# Allegro board 6089-103-RevB_76.brd (continued)
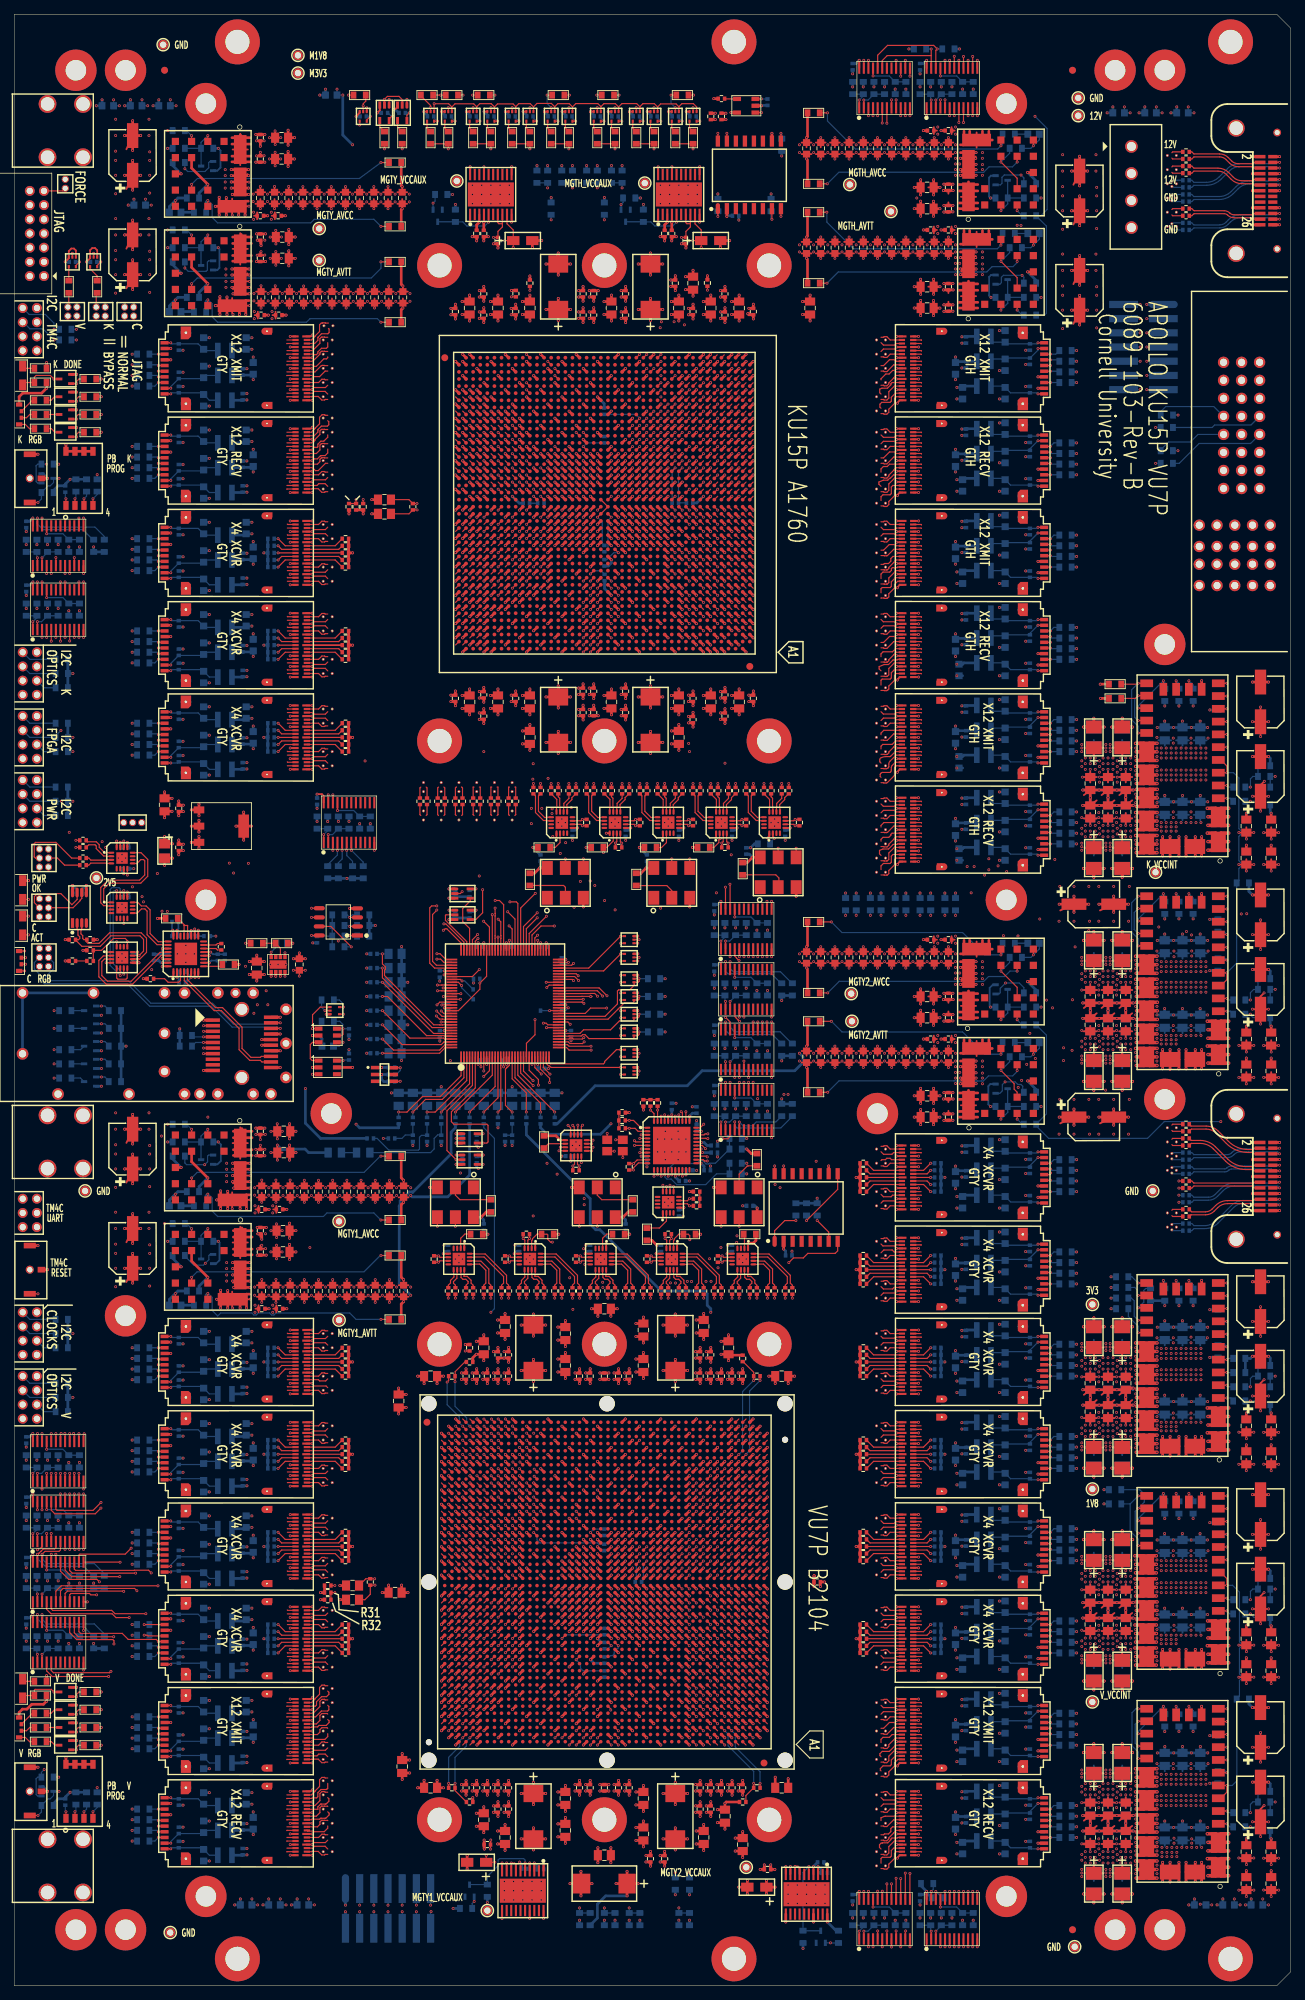
[diagram p0: board, top side]
## Routing (per net, layer and track width the routed paths; a pad name or vN(x,y) marks a point on that pad's centre or on a via; arc(x,y) is an arc through that point) (continued)
U26.G2 23.49,69.18 ; U26.G2 23.49,70.62 ; J3.7 2.08,181.9 ; J3.7 1.2,181.02 ; J3.7 1.87,181.23 ; J3.7 1.2,182.78 ; J3.7 2.07,182.28 ; J3.7 2.07,181.52 ; J3.7 1.58,182.77 ; J3.7 1.87,182.57 ; 141.47,17.18 U117.G1 ; U117.G1 142.91,17.18 ; U117.G1 142.91,18.62 ; U117.G1 141.47,18.62 ; U117.G1 141.79,16.97 ; U117.G1 142.19,18.84 ; U117.G1 142.19,16.96 ; U117.G1 141.25,17.9 ; 23.49,31.62 U29.G2 ; U29.G2 24.21,29.96 ; U29.G2 24.93,30.18 ; U29.G2 24.21,31.84 ; U29.G2 24.93,31.62 ; U29.G2 25.15,30.9 ; U29.G2 23.49,30.18 ; U29.G2 23.81,29.97 ; J17.3 157.5,252.61 ; J17.3 158.31,252.35 ; J17.3 156.69,252.35 ; J17.3 158.57,251.54 ; J17.3 158.31,250.74 ; J17.3 156.69,250.74 ; J17.3 157.5,250.48 ; J17.3 156.43,251.54 ; 121.38,102.49 VA106.3 ; VA106.3 121.15,103.09 ; VA106.3 121.56,102.52 ; VA106.3 121.18,102.9 ; VA106.3 121.15,102.71 ; VA106.3 121.24,102.58 ; VA106.3 121.24,103.22 ; VA106.3 121.56,103.28 ; VA41.4 45.02,40.31 ; VA41.4 45.25,40.09 ; VA41.4 45.22,39.9 ; VA41.4 45.16,40.22 ; VA41.4 45.16,39.58 ; VA41.4 44.84,40.28 ; VA41.4 45.25,39.71 ; VA41.4 44.84,39.52 ; 43.38,78.49 43.56,78.9 ; 43.56,78.9 43.24,78.58 ; 43.56,78.9 43.15,78.71 ; 43.56,78.9 43.56,79.28 ; 43.56,78.9 43.15,79.09 ; 43.56,78.9 43.56,78.52 ; 43.56,78.9 43.18,78.9 ; 43.56,78.9 43.24,79.22 ; VA24.4 45.25,91.71 ; VA24.4 45.25,92.09 ; VA24.4 44.84,92.28 ; VA24.4 45.22,91.9 ; VA24.4 45.02,92.31 ; VA24.4 44.84,91.52 ; VA24.4 45.16,92.22 ; VA24.4 45.16,91.58 ; 141.79,231.97 U104.G2 ; U104.G2 142.19,233.84 ; U104.G2 142.19,231.96 ; U104.G2 141.47,232.18 ; U104.G2 141.25,232.9 ; U104.G2 142.91,233.62 ; U104.G2 141.47,233.62 ; U104.G2 142.91,232.18 ; 9.12,112 PM25.1 ; PM25.1 9.33,112.67 ; PM25.1 10.88,112 ; PM25.1 10,111.12 ; PM25.1 10.67,111.33 ; PM25.1 9.33,111.33 ; PM25.1 10.67,112.67 ; PM25.1 10,112.88 ; VA37.4 45.22,50.9 ; VA37.4 44.84,51.28 ; VA37.4 45.02,51.31 ; VA37.4 45.25,50.71 ; VA37.4 44.84,50.52 ; VA37.4 45.16,51.22 ; VA37.4 45.25,51.09 ; VA37.4 45.16,50.58 ; 121.56,29.52 VA130.4 ; VA130.4 121.24,29.58 ; VA130.4 121.15,30.09 ; VA130.4 121.38,29.49 ; VA130.4 121.15,29.71 ; VA130.4 121.56,30.28 ; VA130.4 121.24,30.22 ; VA130.4 121.18,29.9 ; 121.15,84.09 VA112.4 ; VA112.4 121.24,83.58 ; VA112.4 121.15,83.71 ; VA112.4 121.56,84.28 ; VA112.4 121.24,84.22 ; VA112.4 121.18,83.9 ; VA112.4 121.38,83.49 ; VA112.4 121.56,83.52 ; 162.24,250.22 VA141.4 ; VA141.4 162.18,249.9 ; VA141.4 162.24,249.58 ; VA141.4 162.38,249.49 ; VA141.4 162.15,249.71 ; VA141.4 162.56,249.52 ; VA141.4 162.15,250.09 ; VA141.4 162.56,250.28 ; 121.56,203.52 VA78.4 ; VA78.4 121.18,203.9 ; VA78.4 121.15,204.09 ; VA78.4 121.24,204.22 ; VA78.4 121.15,203.71 ; VA78.4 121.24,203.58 ; VA78.4 121.56,204.28 ; VA78.4 121.38,203.49 ; VA64.4 70.52,165.86 ; VA64.4 70.58,165.53 ; VA64.4 69.79,165.72 ; VA64.4 69.88,165.86 ; VA64.4 69.82,165.53 ; VA64.4 70.39,165.95 ; VA64.4 70.2,165.92 ; VA64.4 70.61,165.72 ; 122.83,171.52 VA93.3 ; VA93.3 123.16,171.58 ; VA93.3 122.83,172.28 ; VA93.3 123.22,171.9 ; VA93.3 123.16,172.22 ; VA93.3 123.02,172.31 ; VA93.3 123.25,172.09 ; VA93.3 123.25,171.71 ; 43.15,231.71 43.56,231.9 ; 43.56,231.9 43.56,231.52 ; 43.56,231.9 43.56,232.28 ; 43.56,231.9 43.18,231.9 ; 43.56,231.9 43.24,232.22 ; 43.56,231.9 43.38,231.49 ; 43.56,231.9 43.24,231.58 ; 43.56,231.9 43.15,232.09 ; 163.84,257.9 163.84,258.28 ; 163.84,257.9 164.16,257.58 ; 163.84,257.9 164.25,258.09 ; 163.84,257.9 164.25,257.71 ; 163.84,257.9 163.84,257.52 ; 163.84,257.9 164.02,258.31 ; 163.84,257.9 164.22,257.9 ; 163.84,257.9 164.16,258.22 ; P1.P2-4 175.31,206.54 ; P1.P2-4 173.59,205.8 ; P1.P2-4 173.83,206.54 ; P1.P2-4 173.83,205.06 ; P1.P2-4 174.57,206.78 ; P1.P2-4 174.57,204.82 ; P1.P2-4 175.31,205.06 ; P1.P2-4 175.55,205.8 ; 121.24,172.22 VA93.4 ; VA93.4 121.56,171.52 ; VA93.4 121.24,171.58 ; VA93.4 121.18,171.9 ; VA93.4 121.15,172.09 ; VA93.4 121.56,172.28 ; VA93.4 121.38,171.49 ; VA93.4 121.15,171.71 ; J6.1 2.08,110.9 ; J6.1 2.07,111.28 ; J6.1 2.07,110.52 ; J6.1 1.58,111.77 ; J6.1 1.87,110.23 ; J6.1 1.2,111.78 ; J6.1 1.2,110.02 ; J6.1 1.87,111.57 ; 141.47,183.18 U107.G1 ; U107.G1 141.79,182.97 ; U107.G1 142.91,183.18 ; U107.G1 142.19,182.96 ; U107.G1 141.25,183.9 ; U107.G1 142.91,184.62 ; U107.G1 142.19,184.84 ; U107.G1 141.47,184.62 ; 121.15,186.71 VA86.4 ; VA86.4 121.18,186.9 ; VA86.4 121.56,186.52 ; VA86.4 121.24,186.58 ; VA86.4 121.15,187.09 ; VA86.4 121.38,186.49 ; VA86.4 121.56,187.28 ; VA86.4 121.24,187.22 ; 121.56,223.52 VA69.4 ; VA69.4 121.56,224.28 ; VA69.4 121.18,223.9 ; VA69.4 121.15,223.71 ; VA69.4 121.24,223.58 ; VA69.4 121.38,223.49 ; VA69.4 121.15,224.09 ; VA69.4 121.24,224.22 ; 122.83,173.52 VA92.3 ; VA92.3 123.02,174.31 ; VA92.3 122.83,174.28 ; VA92.3 123.25,173.71 ; VA92.3 123.16,173.58 ; VA92.3 123.16,174.22 ; VA92.3 123.22,173.9 ; VA92.3 123.25,174.09 ; 141.79,26.97 U117.G2 ; U117.G2 141.47,28.62 ; U117.G2 142.19,26.96 ; U117.G2 141.47,27.18 ; U117.G2 141.25,27.9 ; U117.G2 142.91,28.62 ; U117.G2 142.91,27.18 ; U117.G2 142.19,28.84 ; 121.24,178.22 VA90.4 ; VA90.4 121.15,178.09 ; VA90.4 121.38,177.49 ; VA90.4 121.15,177.71 ; VA90.4 121.56,178.28 ; VA90.4 121.56,177.52 ; VA90.4 121.24,177.58 ; VA90.4 121.18,177.9 ; VA136.3 123.25,16.71 ; VA136.3 123.16,17.22 ; VA136.3 123.16,16.58 ; VA136.3 123.25,17.09 ; VA136.3 122.83,17.28 ; VA136.3 123.22,16.9 ; VA136.3 123.02,17.31 ; VA136.3 122.83,16.52 ; U111.G2 142.91,105.18 ; U111.G2 141.79,104.97 ; U111.G2 141.47,105.18 ; U111.G2 141.47,106.62 ; U111.G2 142.19,104.96 ; U111.G2 142.19,106.84 ; U111.G2 142.91,106.62 ; U111.G2 141.25,105.9 ; 141.25,206.9 U106.G2 ; U106.G2 141.47,206.18 ; U106.G2 142.19,207.84 ; U106.G2 141.47,207.62 ; U106.G2 142.91,206.18 ; U106.G2 141.79,205.97 ; U106.G2 142.19,205.96 ; U106.G2 142.91,207.62 ; VA28.4 45.16,78.58 ; VA28.4 44.84,79.28 ; VA28.4 45.16,79.22 ; VA28.4 44.84,78.52 ; VA28.4 45.25,78.71 ; VA28.4 45.22,78.9 ; VA28.4 45.02,79.31 ; VA28.4 45.25,79.09 ; 44.94,233.9 44.94,234.28 ; 44.94,233.9 45.32,233.9 ; 44.94,233.9 44.94,233.52 ; 44.94,233.9 45.26,234.22 ; 44.94,233.9 45.35,234.09 ; 44.94,233.9 45.26,233.58 ; 44.94,233.9 45.35,233.71 ; 44.94,233.9 45.12,234.31 ; 121.24,50.58 VA122.3 ; VA122.3 121.56,50.52 ; VA122.3 121.24,51.22 ; VA122.3 121.18,50.9 ; VA122.3 121.38,50.49 ; VA122.3 121.15,50.71 ; VA122.3 121.56,51.28 ; VA122.3 121.15,51.09 ; 3.53,247.57 J1.7 ; J1.7 5.08,246.9 ; J1.7 3.53,246.23 ; J1.7 4.2,246.02 ; J1.7 4.87,246.23 ; J1.7 3.32,246.9 ; J1.7 4.87,247.57 ; J1.7 4.2,247.78 ; 162.56,253.52 VA139.4 ; VA139.4 162.38,253.49 ; VA139.4 162.24,253.58 ; VA139.4 162.56,254.28 ; VA139.4 162.15,253.71 ; VA139.4 162.15,254.09 ; VA139.4 162.24,254.22 ; VA139.4 162.18,253.9 ; 163.84,251.9 164.02,252.31 ; 163.84,251.9 164.16,252.22 ; 163.84,251.9 164.25,251.71 ; 163.84,251.9 164.22,251.9 ; 163.84,251.9 164.25,252.09 ; 163.84,251.9 163.84,251.52 ; 163.84,251.9 163.84,252.28 ; 163.84,251.9 164.16,251.58 ; 168.59,202.8 P1.P2-7 ; P1.P2-7 170.31,203.54 ; P1.P2-7 169.57,201.82 ; P1.P2-7 168.83,203.54 ; P1.P2-7 169.57,203.78 ; P1.P2-7 170.31,202.06 ; P1.P2-7 168.83,202.06 ; P1.P2-7 170.55,202.8 ; 121.24,38.22 VA126.4 ; VA126.4 121.56,37.52 ; VA126.4 121.38,37.49 ; VA126.4 121.18,37.9 ; VA126.4 121.15,38.09 ; VA126.4 121.24,37.58 ; VA126.4 121.56,38.28 ; VA126.4 121.15,37.71 ; 44.84,227.52 VA3.4 ; VA3.4 44.84,228.28 ; VA3.4 45.25,227.71 ; VA3.4 45.22,227.9 ; VA3.4 45.16,228.22 ; VA3.4 45.02,228.31 ; VA3.4 45.25,228.09 ; VA3.4 45.16,227.58 ; 121.18,52.9 VA121.3 ; VA121.3 121.38,52.49 ; VA121.3 121.56,52.52 ; VA121.3 121.15,53.09 ; VA121.3 121.24,52.58 ; VA121.3 121.15,52.71 ; VA121.3 121.24,53.22 ; VA121.3 121.56,53.28 ; 162.56,108.52 VA147.4 ; VA147.4 162.56,109.28 ; VA147.4 162.18,108.9 ; VA147.4 162.24,109.22 ; VA147.4 162.15,108.71 ; VA147.4 162.38,108.49 ; VA147.4 162.15,109.09 ; VA147.4 162.24,108.58 ; J1.5 4.2,245.78 ; J1.5 4.2,244.02 ; J1.5 3.53,244.23 ; J1.5 4.87,244.23 ; J1.5 4.87,245.57 ; J1.5 3.32,244.9 ; J1.5 3.53,245.57 ; J1.5 5.08,244.9 ; 121.24,40.22 VA125.4 ; VA125.4 121.15,39.71 ; VA125.4 121.15,40.09 ; VA125.4 121.18,39.9 ; VA125.4 121.56,39.52 ; VA125.4 121.24,39.58 ; VA125.4 121.56,40.28 ; VA125.4 121.38,39.49 ; 43.18,63.9 43.56,63.9 ; 43.56,63.9 43.15,63.71 ; 43.56,63.9 43.24,63.58 ; 43.56,63.9 43.24,64.22 ; 43.56,63.9 43.38,63.49 ; 43.56,63.9 43.56,64.28 ; 43.56,63.9 43.56,63.52 ; 43.56,63.9 43.15,64.09 ; VA86.3 123.16,186.58 ; VA86.3 123.02,187.31 ; VA86.3 123.25,186.71 ; VA86.3 123.16,187.22 ; VA86.3 122.83,186.52 ; VA86.3 123.25,187.09 ; VA86.3 122.83,187.28 ; VA86.3 123.22,186.9 ; 43.56,65.9 43.56,66.28 ; 43.56,65.9 43.56,65.52 ; 43.56,65.9 43.24,65.58 ; 43.56,65.9 43.15,66.09 ; 43.56,65.9 43.38,65.49 ; 43.56,65.9 43.24,66.22 ; 43.56,65.9 43.18,65.9 ; 43.56,65.9 43.15,65.71 ; U13.40 28.71,140.9 ; U13.40 29.47,140.66 ; U13.40 29.47,139.14 ; U13.40 27.71,139.9 ; U13.40 29.71,139.9 ; U13.40 28.71,138.9 ; U13.40 27.95,139.14 ; U13.40 27.95,140.66 ; 121.38,205.49 VA77.4 ; VA77.4 121.18,205.9 ; VA77.4 121.56,206.28 ; VA77.4 121.24,205.58 ; VA77.4 121.24,206.22 ; VA77.4 121.15,206.09 ; VA77.4 121.15,205.71 ; VA77.4 121.56,205.52 ; 162.24,106.58 VA148.4 ; VA148.4 162.15,106.71 ; VA148.4 162.18,106.9 ; VA148.4 162.24,107.22 ; VA148.4 162.38,106.49 ; VA148.4 162.56,106.52 ; VA148.4 162.15,107.09 ; VA148.4 162.56,107.28 ; VA113.4 123.25,78.71 ; VA113.4 123.02,79.31 ; VA113.4 122.83,79.28 ; VA113.4 123.16,78.58 ; VA113.4 123.25,79.09 ; VA113.4 123.22,78.9 ; VA113.4 122.83,78.52 ; VA113.4 123.16,79.22 ; 122.83,164.52 VA96.3 ; VA96.3 123.16,165.22 ; VA96.3 123.02,165.31 ; VA96.3 123.16,164.58 ; VA96.3 123.22,164.9 ; VA96.3 123.25,164.71 ; VA96.3 122.83,165.28 ; VA96.3 123.25,165.09 ; 44.84,231.52 VA1.4 ; VA1.4 45.25,231.71 ; VA1.4 45.16,232.22 ; VA1.4 45.25,232.09 ; VA1.4 45.16,231.58 ; VA1.4 45.02,232.31 ; VA1.4 44.84,232.28 ; VA1.4 45.22,231.9 ; 43.15,51.09 43.56,50.9 ; 43.56,50.9 43.24,50.58 ; 43.56,50.9 43.56,51.28 ; 43.56,50.9 43.38,50.49 ; 43.56,50.9 43.24,51.22 ; 43.56,50.9 43.15,50.71 ; 43.56,50.9 43.18,50.9 ; 43.56,50.9 43.56,50.52 ; VA98.3 123.02,161.31 ; VA98.3 122.83,160.52 ; VA98.3 123.22,160.9 ; VA98.3 122.83,161.28 ; VA98.3 123.16,161.22 ; VA98.3 123.25,160.71 ; VA98.3 123.16,160.58 ; VA98.3 123.25,161.09 ; 121.24,192.58 VA83.4 ; VA83.4 121.56,193.28 ; VA83.4 121.15,192.71 ; VA83.4 121.24,193.22 ; VA83.4 121.38,192.49 ; VA83.4 121.15,193.09 ; VA83.4 121.56,192.52 ; VA83.4 121.18,192.9 ; 163.84,118.9 164.25,119.09 ; 163.84,118.9 163.84,118.52 ; 163.84,118.9 164.16,119.22 ; 163.84,118.9 164.16,118.58 ; 163.84,118.9 164.02,119.31 ; 163.84,118.9 164.22,118.9 ; 163.84,118.9 164.25,118.71 ; 163.84,118.9 163.84,119.28 ; 69.79,164.08 70.2,164.26 ; 70.2,164.26 69.88,163.94 ; 70.2,164.26 70.52,163.94 ; 70.2,164.26 69.82,164.26 ; 70.2,164.26 70.58,164.26 ; 70.2,164.26 70.2,163.88 ; 70.2,164.26 70.61,164.08 ; 70.2,164.26 70.01,163.85 ; VA5.4 45.16,223.58 ; VA5.4 44.84,223.52 ; VA5.4 45.25,223.71 ; VA5.4 45.02,224.31 ; VA5.4 45.22,223.9 ; VA5.4 45.16,224.22 ; VA5.4 45.25,224.09 ; VA5.4 44.84,224.28 ; 59.88,167.94 60.2,168.26 ; 60.2,168.26 59.79,168.08 ; 60.2,168.26 60.58,168.26 ; 60.2,168.26 60.2,167.88 ; 60.2,168.26 60.01,167.85 ; 60.2,168.26 60.52,167.94 ; 60.2,168.26 60.61,168.08 ; 60.2,168.26 59.82,168.26 ; 121.24,188.58 VA85.4 ; VA85.4 121.18,188.9 ; VA85.4 121.15,188.71 ; VA85.4 121.24,189.22 ; VA85.4 121.38,188.49 ; VA85.4 121.56,188.52 ; VA85.4 121.56,189.28 ; VA85.4 121.15,189.09 ; 121.18,26.9 VA131.4 ; VA131.4 121.15,27.09 ; VA131.4 121.56,27.28 ; VA131.4 121.15,26.71 ; VA131.4 121.24,27.22 ; VA131.4 121.38,26.49 ; VA131.4 121.56,26.52 ; VA131.4 121.24,26.58 ; 141.47,167.18 U109.G2 ; U109.G2 142.91,167.18 ; U109.G2 142.19,166.96 ; U109.G2 141.79,166.97 ; U109.G2 141.25,167.9 ; U109.G2 142.19,168.84 ; U109.G2 142.91,168.62 ; U109.G2 141.47,168.62 ; 121.18,91.9 VA109.3 ; VA109.3 121.24,92.22 ; VA109.3 121.56,91.52 ; VA109.3 121.24,91.58 ; VA109.3 121.15,91.71 ; VA109.3 121.15,92.09 ; VA109.3 121.56,92.28 ; VA109.3 121.38,91.49 ; 122.83,57.52 VA120.3 ; VA120.3 122.83,58.28 ; VA120.3 123.02,58.31 ; VA120.3 123.16,57.58 ; VA120.3 123.25,57.71 ; VA120.3 123.25,58.09 ; VA120.3 123.22,57.9 ; VA120.3 123.16,58.22 ; P1.P2-8 170.55,205.8 ; P1.P2-8 168.83,206.54 ; P1.P2-8 170.31,206.54 ; P1.P2-8 170.31,205.06 ; P1.P2-8 169.57,206.78 ; P1.P2-8 168.83,205.06 ; P1.P2-8 168.59,205.8 ; P1.P2-8 169.57,204.82 ; VA30.3 44.84,73.28 ; VA30.3 45.02,73.31 ; VA30.3 45.25,73.09 ; VA30.3 45.22,72.9 ; VA30.3 45.16,72.58 ; VA30.3 44.84,72.52 ; VA30.3 45.25,72.71 ; VA30.3 45.16,73.22 ; VA85.3 123.02,189.31 ; VA85.3 122.83,188.52 ; VA85.3 123.25,188.71 ; VA85.3 123.16,189.22 ; VA85.3 123.22,188.9 ; VA85.3 123.16,188.58 ; VA85.3 123.25,189.09 ; VA85.3 122.83,189.28 ; P1.P2-5 172.81,203.54 ; P1.P2-5 172.81,202.06 ; P1.P2-5 173.05,202.8 ; P1.P2-5 171.33,202.06 ; P1.P2-5 172.07,201.82 ; P1.P2-5 172.07,203.78 ; P1.P2-5 171.33,203.54 ; P1.P2-5 171.09,202.8 ; U106.G1 142.91,196.18 ; U106.G1 142.19,197.84 ; U106.G1 141.47,197.62 ; U106.G1 141.79,195.97 ; U106.G1 141.25,196.9 ; U106.G1 142.19,195.96 ; U106.G1 142.91,197.62 ; U106.G1 141.47,196.18 ; VA112.3 123.25,84.09 ; VA112.3 123.22,83.9 ; VA112.3 123.16,83.58 ; VA112.3 123.25,83.71 ; VA112.3 123.16,84.22 ; VA112.3 122.83,83.52 ; VA112.3 122.83,84.28 ; VA112.3 123.02,84.31 ; VA66.3 123.25,229.71 ; VA66.3 122.83,229.52 ; VA66.3 123.02,230.31 ; VA66.3 123.16,230.22 ; VA66.3 123.16,229.58 ; VA66.3 122.83,230.28 ; VA66.3 123.22,229.9 ; VA66.3 123.25,230.09 ; 121.15,59.71 VA119.4 ; VA119.4 121.24,59.58 ; VA119.4 121.56,60.28 ; VA119.4 121.56,59.52 ; VA119.4 121.24,60.22 ; VA119.4 121.15,60.09 ; VA119.4 121.18,59.9 ; VA119.4 121.38,59.49 ; J2.7 1.87,229.73 ; J2.7 2.07,230.02 ; J2.7 1.87,231.07 ; J2.7 2.08,230.4 ; J2.7 2.07,230.78 ; J2.7 1.2,231.28 ; J2.7 1.58,231.27 ; J2.7 1.2,229.52 ; J7.8 4.08,88.9 ; J7.8 3.2,89.78 ; J7.8 3.87,88.23 ; J7.8 2.53,89.57 ; J7.8 2.53,88.23 ; J7.8 2.32,88.9 ; J7.8 3.87,89.57 ; J7.8 3.2,88.02 ; U13.26 37.08,125.65 ; U13.26 35.33,125.65 ; U13.26 36.2,124.77 ; U13.26 36.87,126.32 ; U13.26 35.53,126.32 ; U13.26 36.2,126.53 ; U13.26 35.53,124.98 ; U13.26 36.87,124.98 ; VA75.3 123.16,211.22 ; VA75.3 123.25,211.09 ; VA75.3 123.16,210.58 ; VA75.3 122.83,211.28 ; VA75.3 123.22,210.9 ; VA75.3 123.02,211.31 ; VA75.3 122.83,210.52 ; VA75.3 123.25,210.71 ; 43.15,91.71 43.56,91.9 ; 43.56,91.9 43.18,91.9 ; 43.56,91.9 43.24,91.58 ; 43.56,91.9 43.38,91.49 ; 43.56,91.9 43.56,91.52 ; 43.56,91.9 43.56,92.28 ; 43.56,91.9 43.15,92.09 ; 43.56,91.9 43.24,92.22 ; P1.P2-9 167.81,202.06 ; P1.P2-9 168.05,202.8 ; P1.P2-9 167.81,203.54 ; P1.P2-9 166.09,202.8 ; P1.P2-9 167.07,203.78 ; P1.P2-9 167.07,201.82 ; P1.P2-9 166.33,202.06 ; P1.P2-9 166.33,203.54 ; 162.24,114.58 VA146.4 ; VA146.4 162.38,114.49 ; VA146.4 162.18,114.9 ; VA146.4 162.15,114.71 ; VA146.4 162.24,115.22 ; VA146.4 162.56,114.52 ; VA146.4 162.56,115.28 ; VA146.4 162.15,115.09 ; 43.15,185.09 43.56,184.9 ; 43.56,184.9 43.15,184.71 ; 43.56,184.9 43.56,185.28 ; 43.56,184.9 43.24,184.58 ; 43.56,184.9 43.18,184.9 ; 43.56,184.9 43.38,184.49 ; 43.56,184.9 43.56,184.52 ; 43.56,184.9 43.24,185.22 ; VA50.4 45.22,20.9 ; VA50.4 45.02,21.31 ; VA50.4 44.84,20.52 ; VA50.4 45.25,20.71 ; VA50.4 45.16,21.22 ; VA50.4 45.16,20.58 ; VA50.4 44.84,21.28 ; VA50.4 45.25,21.09 ; 121.15,90.09 VA110.3 ; VA110.3 121.56,89.52 ; VA110.3 121.15,89.71 ; VA110.3 121.24,89.58 ; VA110.3 121.18,89.9 ; VA110.3 121.24,90.22 ; VA110.3 121.38,89.49 ; VA110.3 121.56,90.28 ; 43.15,174.09 43.56,173.9 ; 43.56,173.9 43.38,173.49 ; 43.56,173.9 43.15,173.71 ; 43.56,173.9 43.18,173.9 ; 43.56,173.9 43.24,173.58 ; 43.56,173.9 43.56,173.52 ; 43.56,173.9 43.56,174.28 ; 43.56,173.9 43.24,174.22 ; VA111.4 121.56,86.28 ; VA111.4 121.38,85.49 ; VA111.4 121.56,85.52 ; VA111.4 121.24,86.22 ; VA111.4 121.15,86.09 ; VA111.4 121.24,85.58 ; VA111.4 121.15,85.71 ; VA111.4 121.18,85.9 ; 43.56,28.52 43.56,28.9 ; 43.56,28.9 43.38,28.49 ; 43.56,28.9 43.24,29.22 ; 43.56,28.9 43.15,28.71 ; 43.56,28.9 43.15,29.09 ; 43.56,28.9 43.18,28.9 ; 43.56,28.9 43.56,29.28 ; 43.56,28.9 43.24,28.58 ; 23.49,43.18 U28.G2 ; U28.G2 24.93,43.18 ; U28.G2 24.93,44.62 ; U28.G2 25.15,43.9 ; U28.G2 24.21,44.84 ; U28.G2 23.81,42.97 ; U28.G2 23.49,44.62 ; U28.G2 24.21,42.96 ; 121.38,160.49 VA98.4 ; VA98.4 121.24,161.22 ; VA98.4 121.18,160.9 ; VA98.4 121.56,161.28 ; VA98.4 121.56,160.52 ; VA98.4 121.24,160.58 ; VA98.4 121.15,161.09 ; VA98.4 121.15,160.71 ; 43.34,234.22 VA52.3 ; VA52.3 43.66,233.52 ; VA52.3 43.66,234.28 ; VA52.3 43.28,233.9 ; VA52.3 43.25,234.09 ; VA52.3 43.25,233.71 ; VA52.3 43.48,233.49 ; VA52.3 43.34,233.58 ; 43.15,197.71 43.56,197.9 ; 43.56,197.9 43.15,198.09 ; 43.56,197.9 43.56,197.52 ; 43.56,197.9 43.24,198.22 ; 43.56,197.9 43.56,198.28 ; 43.56,197.9 43.38,197.49 ; 43.56,197.9 43.18,197.9 ; 43.56,197.9 43.24,197.58 ; VA130.3 123.02,30.31 ; VA130.3 123.25,29.71 ; VA130.3 122.83,30.28 ; VA130.3 123.25,30.09 ; VA130.3 123.16,30.22 ; VA130.3 123.22,29.9 ; VA130.3 122.83,29.52 ; VA130.3 123.16,29.58 ; 121.15,109.71 VA104.4 ; VA104.4 121.56,110.28 ; VA104.4 121.24,110.22 ; VA104.4 121.56,109.52 ; VA104.4 121.18,109.9 ; VA104.4 121.38,109.49 ; VA104.4 121.15,110.09 ; VA104.4 121.24,109.58 ; VA105.4 122.83,105.28 ; VA105.4 123.02,105.31 ; VA105.4 123.16,104.58 ; VA105.4 123.25,105.09 ; VA105.4 123.22,104.9 ; VA105.4 122.83,104.52 ; VA105.4 123.25,104.71 ; VA105.4 123.16,105.22 ; 23.49,57.62 U27.G2 ; U27.G2 23.49,56.18 ; U27.G2 25.15,56.9 ; U27.G2 24.21,57.84 ; U27.G2 24.21,55.96 ; U27.G2 23.81,55.97 ; U27.G2 24.93,56.18 ; U27.G2 24.93,57.62 ; VA46.4 44.84,29.28 ; VA46.4 44.84,28.52 ; VA46.4 45.16,28.58 ; VA46.4 45.25,29.09 ; VA46.4 45.02,29.31 ; VA46.4 45.16,29.22 ; VA46.4 45.25,28.71 ; VA46.4 45.22,28.9 ; J5.7 2.07,163.52 ; J5.7 1.2,164.78 ; J5.7 1.87,163.23 ; J5.7 2.07,164.28 ; J5.7 1.58,164.77 ; J5.7 2.08,163.9 ; J5.7 1.87,164.57 ; J5.7 1.2,163.02 ; 121.38,65.49 VA117.3 ; VA117.3 121.18,65.9 ; VA117.3 121.15,65.71 ; VA117.3 121.15,66.09 ; VA117.3 121.56,66.28 ; VA117.3 121.24,65.58 ; VA117.3 121.56,65.52 ; VA117.3 121.24,66.22 ; VA106.4 123.22,102.9 ; VA106.4 123.25,102.71 ; VA106.4 123.25,103.09 ; VA106.4 123.02,103.31 ; VA106.4 123.16,102.58 ; VA106.4 122.83,102.52 ; VA106.4 122.83,103.28 ; VA106.4 123.16,103.22 ; VA89.4 121.56,180.28 ; VA89.4 121.15,180.09 ; VA89.4 121.24,180.22 ; VA89.4 121.15,179.71 ; VA89.4 121.24,179.58 ; VA89.4 121.56,179.52 ; VA89.4 121.18,179.9 ; VA89.4 121.38,179.49 ; VA25.4 45.16,89.58 ; VA25.4 44.84,90.28 ; VA25.4 45.02,90.31 ; VA25.4 45.22,89.9 ; VA25.4 44.84,89.52 ; VA25.4 45.16,90.22 ; VA25.4 45.25,89.71 ; VA25.4 45.25,90.09 ; VA103.3 123.16,111.58 ; VA103.3 123.16,112.22 ; VA103.3 123.25,111.71 ; VA103.3 122.83,111.52 ; VA103.3 123.22,111.9 ; VA103.3 123.25,112.09 ; VA103.3 122.83,112.28 ; VA103.3 123.02,112.31 ; 43.24,42.22 43.56,41.9 ; 43.56,41.9 43.18,41.9 ; 43.56,41.9 43.24,41.58 ; 43.56,41.9 43.15,42.09 ; 43.56,41.9 43.56,41.52 ; 43.56,41.9 43.15,41.71 ; 43.56,41.9 43.56,42.28 ; 43.56,41.9 43.38,41.49 ; VA53.4 58.02,169.86 ; VA53.4 57.29,169.72 ; VA53.4 57.7,169.92 ; VA53.4 57.32,169.53 ; VA53.4 58.11,169.72 ; VA53.4 57.38,169.86 ; VA53.4 58.08,169.53 ; VA53.4 57.89,169.95 ; 57.29,168.08 57.7,168.26 ; 57.7,168.26 58.02,167.94 ; 57.7,168.26 57.51,167.85 ; 57.7,168.26 57.32,168.26 ; 57.7,168.26 57.38,167.94 ; 57.7,168.26 58.11,168.08 ; 57.7,168.26 57.7,167.88 ; 57.7,168.26 58.08,168.26 ; 159.62,112 PM24.1 ; PM24.1 161.17,112.67 ; PM24.1 160.5,111.12 ; PM24.1 160.5,112.88 ; PM24.1 159.83,112.67 ; PM24.1 161.17,111.33 ; PM24.1 159.83,111.33 ; PM24.1 161.38,112 ; 121.24,174.22 VA92.4 ; VA92.4 121.18,173.9 ; VA92.4 121.38,173.49 ; VA92.4 121.15,173.71 ; VA92.4 121.15,174.09 ; VA92.4 121.56,174.28 ; VA92.4 121.56,173.52 ; VA92.4 121.24,173.58 ; 43.24,171.58 43.56,171.9 ; 43.56,171.9 43.38,171.49 ; 43.56,171.9 43.24,172.22 ; 43.56,171.9 43.18,171.9 ; 43.56,171.9 43.15,171.71 ; 43.56,171.9 43.15,172.09 ; 43.56,171.9 43.56,172.28 ; 43.56,171.9 43.56,171.52 ; VA88.3 123.16,182.58 ; VA88.3 123.25,183.09 ; VA88.3 123.02,183.31 ; VA88.3 123.22,182.9 ; VA88.3 122.83,183.28 ; VA88.3 122.83,182.52 ; VA88.3 123.25,182.71 ; VA88.3 123.16,183.22 ; 142.19,39.96 U116.G2 ; U116.G2 142.91,41.62 